# Altium PCB minnnnnnnn.PcbDoc (continued)
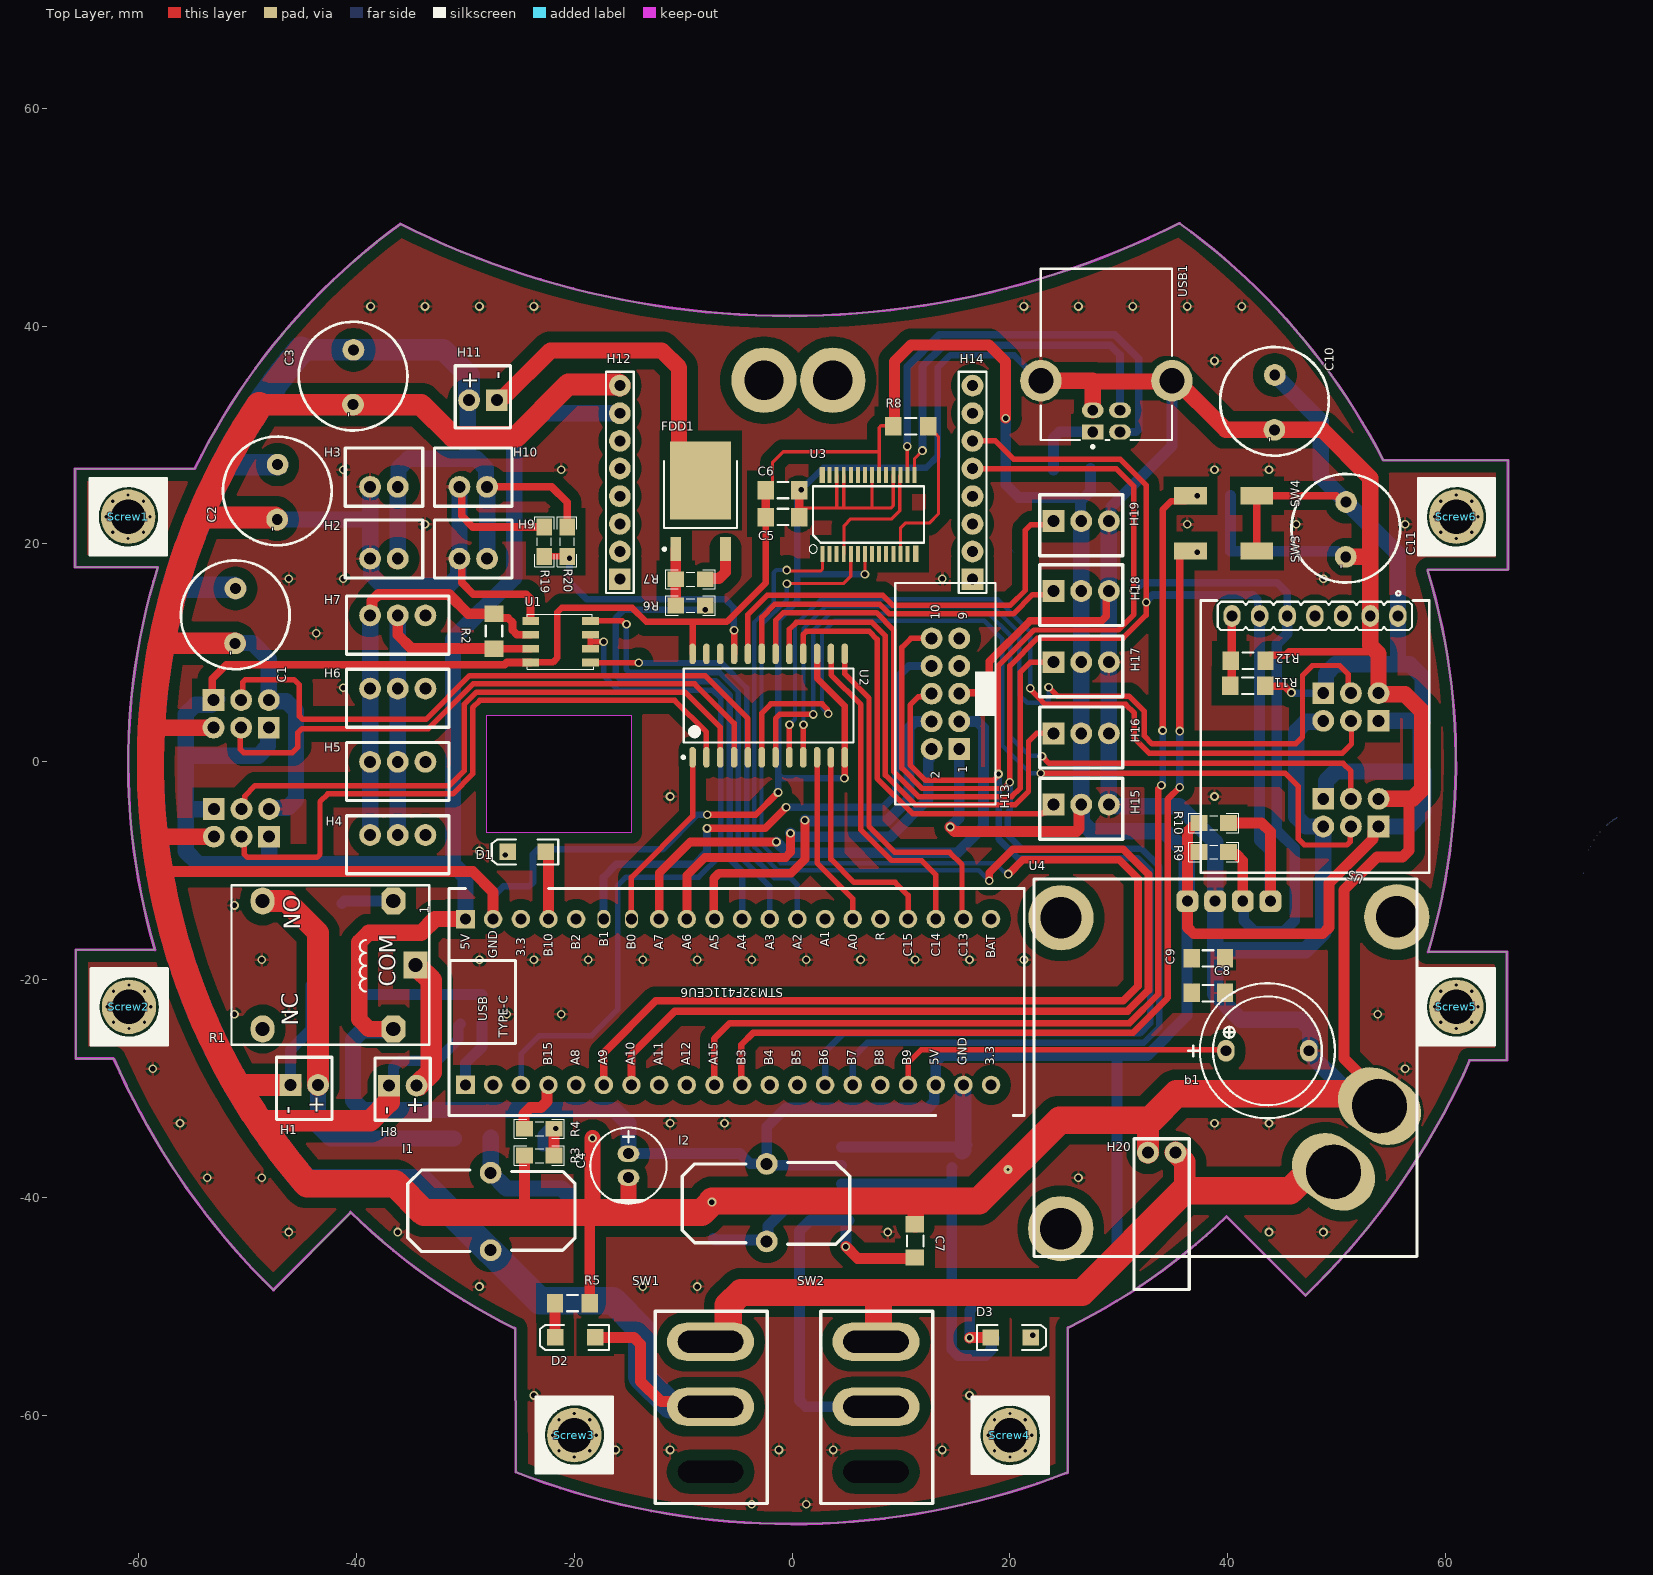
[diagram p0: Top Layer view]
## Footprints (in the part's own frame and the unit in brackets; to place one, negate y for a bottom-side part, rotate by r counter-clockwise, add the part's x,y. Pads: shape width x height; smd on the part's side, far side on the other; paste and mask are expansions set on the pad) (continued)
  rect 0.5x1.5 smd: 14(4.331,-3.614) 28(-4.269,3.625)
  silkscreen extent -5.46,-3.56 5.1,2.6, body extent -5.09,-3.93 5.11,3.87, height 2
TDAxis12 [mm] "Connector; Header; 7 Position"
  oval 1.6x2 hole 1 mask+0.1: 1(-7.62,-0.075) 2(-5.08,-0.075) 3(-2.54,-0.075) 4(0,-0.075) 5(2.54,-0.075) 6(5.08,-0.075) 7(7.62,-0.075)
  silkscreen extent -10.5,-2.35 10.5,23.5, body extent -10.5,-1.5 10.5,23.5, height 5.34
TO252-3M [mm] "D-PAK, 3-Pads, Body 6.2x6.7mm (max), IPC Low Density"
  rect 2.2x1 smd: 1(-4.4,2.28) 3(-4.4,-2.28)
  rect 7.2x5.6 smd: 4(1.9,0)
  silkscreen extent -4.52,-3.35 3.7,3.45, body extent -5.06,-3.27 4.88,3.27, height 2.39
USB_B.1 [mm]
  rect 1.4x2 hole 1: 1(-2.355,1.25)
  oval 1.4x2 hole 1: 2(-2.355,-1.25) 3(-0.355,-1.25) 4(-0.355,1.25)
  round 3.8 hole 2.3: 5(2.355,6.02) 6(2.355,-6.02)
  silkscreen extent -3.83,-6.02 12.64,6.02, body extent -3.86,-7.45 12.64,7.45, height 10.95
"XH 2pin" [mm]
  round 2 hole 1.1: 1(-1.27,-0.889) 2(1.27,-0.889)
  silkscreen extent -3.56,-2.67 3.56,2.67, body extent -3.7,-2.88 3.7,2.88, height 7
"XH 3PIN" [mm]
  round 2 hole 1.1: 1(-2.54,-0.889) 2(0,-0.889) 3(2.54,-0.889)
  silkscreen extent -4.7,-2.67 4.7,2.67, body extent -4.95,-2.88 4.95,2.88, height 7
XT60 [mm]
  oval 8x6 hole 5: 1(0,2.159) 2(0,-5.207)
  silkscreen extent -4.32,-9.14 4.32,6.35, body extent -3.75,-9.72 3.75,6.83, height 16

## Part data
C4: library part "Cap 100uF"
C5 C6 C7 C8 C9: library part "Cap SMD"
D1: library part "LED SMD 1206"
D2 D3: library part "LED SMD"
D4 D5 D6: library part "1n4007 SMD M7", "Standard Rectifiers", Manufacturer="DC COMPONENTS", Data=16-12-2016, Designer="Abbas Basereh", Link=http://www.tme.eu/en/details/m7/smd-universal-diodes/dc-components/, Part. No=M7
H13: library part "IDC 2x5"
R2 R5 R8 R11 R12 R15: library part "Res SMD"
R9 R10 R16: library part "RES 0805 0.125W", "RES 0805", Data=16-12-2016, Desc.="RES SMD 0805", Designer="Abbas Basereh"
U3: "USB Bridge, USB to UART USB 2.0 UART Interface 28-SSOP", Package="SSOP-28 FTDI", Check_prices=https://www.snapeda.com/parts/FT232RL/FTDI%252C+Future+Technology+Devices+International+Ltd/view-part/?ref=eda, MF="FTDI, Future", MP=FT232RL, SnapEDA_Link=https://www.snapeda.com/parts/FT232RL/FTDI%252C+Future+Technology+Devices+International+Ltd/view-part/?ref=snap
U5: "Module, 12 Axis IMU, I2C UART Output"
USB1: "USB B", LatestRevisionDate=17-Jul-2002, LatestRevisionNote="Re-released for DXP Platform.", Publisher="Altium Limited"
Screw1 Screw2 Screw3 Screw4 Screw5 Screw6: LatestRevisionDate=17-Jul-2002, LatestRevisionNote="Re-released for DXP Platform.", Publisher="Altium Limited"

## Free pads (board coordinates)
  round 6 hole 3.6 mask+0.1: 2(-2.591,35.027) 2(3.734,35.027)

## Via types
v1: diameter 0.8, hole 0.5, Top Layer to Bottom Layer, tented both sides, 122 vias
v2: diameter 0.8, hole 0.3, Top Layer to Bottom Layer, tented both sides, 1 vias

## Nets (pads, with @x,y where several pads share a name; then routed paths per layer and width w, separated by ;. In a path a pad name is that pad's centre, name@x,y a point inside that pad or via, vN(x,y) a via of type N, cw(c..) or ccw(c..) an arc to the next point about the centre after c; other vN are vias at no path point)
"2 USB 16 FT": U3.16 USB1.2 | length 41.1
  Top Layer w0.3: v1(10.566,28.956) 10.576,28.947 U3.16@10.576,26.883
  Bottom Layer w0.7: v1(10.566,28.956) 10.566,36.249 13.514,39.196 29.616,39.196 31.826,36.985 31.826,30.511 31.592,30.277 USB1.2
5V: 
+5: 1.18 1.40 C4.1 C5.1 C6.1 C8.2 C9.2 C10.+ C11.+ D3.1 D4.2 H12.7 H13.1 H15.2 H16.2 H17.2 H18.2 H19.2 I2.1 R1.4 R8.2 R9.2 R10.2 R11.2 S1.1 S1.6 S2.1 S2.6 S3.1 S3.6 S4.1 S4.6 SW3.2 SW4.2 U1.8 U2.24 U3.20 U4.2 U5.1 U6.4 | length 617.3
  Top Layer w0.3: C6.1@-2.822,25.016 C6.1@-2.692,25.146 ; C6.1 -1.814,25.517 -1.814,27.472 -0.813,28.473 7.985,28.473 ; U3.20 7.985,28.473 ; R8.2@9.285,30.861 8.153,30.861 7.985,30.693 7.985,28.473
  Top Layer w0.6: U1.8 -21.975,9.119 -21.565,9.529 -21.565,13.738 -21.155,14.148 -14.707,14.148 -13.411,12.852 -9.144,12.852 ; U2.24 -9.144,12.852 ; C5.1 -2.414,16.433 -5.994,12.852 -9.144,12.852
  Top Layer w0.7: S4.6@-53.264,5.588 -53.264,7.62 -51.968,8.915 -26.4,8.915 -26.197,9.119 U1.8 ; SW3.2 42.672,24.359 SW4.2@42.748,24.435 ; SW4.2 SW4.2@42.748,24.435 ; R11.2@43.383,7.163 43.61,6.936 45.234,6.936 45.82,6.35 v1(45.847,6.35) ; C11.+@50.927,23.876 50.497,23.876 49.938,24.435 SW4.2@42.748,24.435
  Top Layer w0.8: C5.1@-2.414,22.757 C6.1@-2.414,24.614
  Top Layer w1: R8.2@9.398,30.759 9.398,36.754 10.922,38.278 18.059,38.278 19.583,36.754 19.583,31.572 v1(19.609,31.547) ; v1(14.503,-5.994) 14.91,-6.401 26.135,-6.401 26.353,-6.183 26.353,-4 H15.2@26.619,-3.734 ; v1(16.281,-52.908) 16.319,-52.871 D3.1 ; R9.2@37.363,-8.23 37.262,-8.331 36.297,-8.331 ; R10.2 37.138,-5.837 36.882,-5.837 36.297,-6.423 36.297,-8.331 ; S2.1 53.348,-6.444 53.348,-7.104 49.301,-11.151 49.301,-15.213 48.716,-15.799 36.882,-15.799 36.297,-15.213 U4.2 36.297,-8.331
  Top Layer w1.5: R1.4 -38.872,-24.536 -39.751,-23.658 -39.751,-16.576 -38.872,-15.697 -34.061,-15.697 -32.806,-14.441 1.40
  Bottom Layer w0.7: C10.+@44.577,35.204 C10.+@44.625,35.204 ; v1(45.847,6.35) 45.874,6.35 45.925,6.299 S1.1 ; 55.626,8.941 55.626,8.788 55.702,8.712
  Bottom Layer w1: C4.1 -4.775,-35.992 -3.854,-36.913 -2.355,-36.913 I2.1 ; I2.1@-2.311,-37.008 -2.337,-36.982 I2.1 ; I2.1@-2.285,-37.057 4.522,-37.057 U6.4 ; v1(14.503,-5.994) 15.342,-5.156 H13.1 ; v1@16.307,-52.908 16.307,-50.394 17.78,-48.92 27.33,-48.92 29.82,-46.431 29.82,-26.975 ; v1(19.609,31.547) 19.609,25.451 20.803,24.257 26.162,24.257 26.492,23.927 ; H19.2 26.492,22.15 26.492,23.927 ; D4.2@27.407,26.924 27.407,24.841 26.492,23.927 ; U4.2@36.271,-12.827 36.271,-23.317 32.614,-26.975 29.82,-26.975 ; I2.1 -2.337,-33.553 -0.584,-31.801 12.462,-31.801 13.048,-31.215 13.048,-29.815 1.18 13.182,-27.561 13.767,-26.975 29.82,-26.975
  Bottom Layer w1.5: -55.423,-4.369 -53.137,-4.369 S3.1 ; S4.6@-52.807,5.766 -53.34,5.232 -54.824,5.232 -55.702,4.354 -55.702,0.559 ; S4.1 -48.133,3.048 -48.133,1.437 -49.012,0.559 -55.702,0.559 ; S3.6 -48.031,-9.423 ; R1.4@-36.601,-24.663 -39.457,-24.663 -40.335,-25.542 -40.335,-31.1 -39.457,-31.979 -16.281,-31.979 -15.037,-33.223 C4.1 ; 1.40 -29.998,-10.565 -31.14,-9.423 ; H12.7@-15.926,32.029 -15.951,32.004 -23.378,32.004 -25.527,29.855 -25.527,16.891 -31.14,11.278 -31.14,-9.423 ; H15.2@26.545,-3.986 26.576,-4.017 26.576,-5.497 27.455,-6.375 34.188,-6.375 36.22,-8.407 U4.2@36.22,-12.725 ; H15.2 H16.2 H17.2 26.545,15.546 H18.2@26.619,15.621 ; H18.2 H19.2 ; C10.+@44.625,35.204 48.539,31.29 48.539,26.185 C11.+ 55.626,19.098 U5.1 55.626,8.941 ; S2.6 49.018,-3.154 49.018,-1.768 49.897,-0.889 57.582,-0.889 57.734,-1.041 57.734,3.759 ; S1.1 49.018,6.549 49.018,8.062 49.897,8.941 55.626,8.941 ; S2.1@53.823,-5.944 S2.1 56.591,-5.944 57.937,-4.597 57.937,-0.889 ; S1.6 57.734,3.759 ; -55.702,0.559 -55.702,-8.204 -54.483,-9.423 -48.031,-9.423 ; -48.031,-9.423 -31.14,-9.423 ; 55.626,8.941 56.718,8.941 57.912,7.747 57.912,3.759 57.734,3.759
+12: C1.+ C2.+ C3.+ D2.1 H2.2 H3.2 H9.2 H10.2 H11.1 I1.1 R20.2 SW1.2 | length 217.2
  Top Layer w0.7: H10.2@-28.194,25.324 -28.118,25.248 H10.2 -22.1,25.248 -20.664,23.812 R20.2
  Top Layer w1: D2.1@-18.186,-52.883 -14.529,-52.883 -13.919,-53.492 -13.919,-56.896 -12.061,-58.754 -7.971,-58.754 SW1.2
  Top Layer w1.5: H2.2@-36.398,18.44 -36.22,18.618 H2.2 ; H9.2@-28.016,18.796 H9.2@-27.788,18.567
  Bottom Layer w1.5: H2.2 H3.2 ; H3.2@-36.144,25.197 -36.144,26.934 -35.266,27.813 -29.794,27.813 ; H11.1@-29.667,32.995 -29.735,32.995 -29.763,32.967 -29.763,32.899 -29.794,32.868 -29.794,27.813 ; H9.2@-28.016,18.796 H10.2 -28.112,25.343 -28.112,26.934 -28.991,27.813 -29.794,27.813
  Bottom Layer w2: -56.947,16.027 -51.237,16.027 C1.+ ; -52.197,27.254 -52.169,27.282 C2.+ ; -44.983,37.795 -44.955,37.823 C3.+ -32.032,37.823 -29.667,35.458 H11.1@-29.667,33.274
  Bottom Layer w2.5: -45.094,37.806 ccw(c0.066,-0.162) -44.745,-38.541 ; -44.627,-38.659 -34.061,-38.659 I1.1@-27.864,-44.856 ; I1.1@-27.686,-44.983 -23.177,-49.492 -16.446,-49.492 -13.843,-52.095 -13.843,-56.422 -11.224,-59.041 -7.684,-59.041 SW1.2
A: H4.3 H5.3 H6.3 H7.3 R2.2 U1.6 | length 38.4
  Top Layer w0.7: R2.2@-27.432,13.589 -27.039,13.196 -26.089,13.196 -25.679,12.786 -25.679,12.069 -25.269,11.659 U1.6
  Top Layer w1: H7.3 -38.569,13.628 -38.569,14.781 -37.983,15.367 -31.521,15.367 -29.743,13.589 R2.2@-27.432,13.589
  Bottom Layer w1.5: H4.3 H5.3 H6.3 -38.76,13.206 -38.606,13.36 H7.3@-38.583,13.36
A12S2: 1.23 U2.14 | length 30
  Top Layer w0.5: U2.14 3.575,9.887 3.575,7.982 6.299,5.258 6.299,-6.248 9.119,-9.068 11.887,-9.068 13.182,-10.362 1.23
B: H4.2 H5.2 H6.2 H7.2 R2.1 U1.7 | length 34.7
  Top Layer w0.7: R2.1 U1.7
  Top Layer w1: H7.2 -36.22,11.659 -34.951,10.389 R2.1
  Bottom Layer w1.5: H7.2 H6.2 H5.2 -36.22,-6.5 -36.04,-6.68 H4.2@-36.017,-6.68
B2S1: 1.24 U2.11 | length 20
  Top Layer w0.5: U2.11 3.556,-8.941 5.69,-11.074 9.449,-11.074 10.642,-12.267 1.24
B12S0: 1.26 U2.10 | length 16.2
  Top Layer w0.5: U2.10 2.286,-9.296 5.562,-12.572 1.26
"Back 1": S4.3 U2.4 | length 55.6
  Top Layer w0.5: S4.3@-50.673,3.302 -50.673,1.131 -50.38,0.838 -45.898,0.838 -45.39,1.346 -45.39,2.667 -45.009,3.048 -33.4,3.048 -29.301,7.147 -8.95,7.147 -5.334,3.531 U2.4
"Back 2": S4.4 U2.5 | length 58.2
  Top Layer w0.5: S4.4@-50.47,5.69 -50.47,7.29 -50.216,7.544 -45.745,7.544 -45.263,7.061 -45.263,4.191 -44.958,3.886 -33.628,3.886 -29.614,7.901 -8.002,7.901 -4.064,3.962 U2.5
BOOST_CTRL: 1.4 R4.1 | length 5.6
  Top Layer w1: R4.1 -24.638,-33.633 -24.638,-32.336 -24.052,-31.75 -23.065,-31.75 -22.512,-31.198 -22.512,-29.675 1.4@-22.479,-29.642
buzzer: 1.17 b1.1 | length 31.8
  Top Layer w0.508: 1.17 10.642,-27.662 11.862,-26.441 39.726,-26.441 b1.1
C13S3: 1.22 U2.13 | length 32.1
  Top Layer w0.5: U2.13 4.845,9.887 4.845,8.058 7.053,5.85 7.053,-5.936 9.431,-8.314 14.461,-8.314 15.596,-9.449 1.22@15.596,-14.783
"Front 1": S2.3 U2.6 | length 86.4
  Top Layer w0.5: U2.6 -2.794,4.47 -1.956,5.309 2.743,5.309 3.245,4.807 3.245,4.452 v1(3.302,4.394) ; v1(22.835,-1.067) 45.288,-1.067 46.482,-2.261 46.482,-7.087 47.041,-7.645 50.949,-7.645 51.242,-7.353 51.242,-6.01 S2.3
  Bottom Layer w0.4: v1(3.302,4.394) 2.743,4.953 2.743,11.811 3.886,12.954 17.628,12.954 19.279,11.303 19.279,1.524 21.844,-1.041 22.809,-1.041 v1(22.835,-1.067)
"Front 2": S2.4 U2.7 | length 78.9
  Top Layer w0.5: U2.7 -1.524,3.966 -1.146,4.343 v1(1.945,4.343) ; v1(22.936,0.508) 23.597,-0.152 50.597,-0.152 51.308,-0.864 S2.4@51.308,-3.353
  Bottom Layer w0.4: v1(1.945,4.343) 1.945,12.08 3.474,13.608 18.04,13.608 20.033,11.615 20.033,2.294 21.786,0.54 22.904,0.54 v1(22.936,0.508)
GATE: FDD1.1 R6.1 R7.1 | length 5.4
  Top Layer w1: R6.1@-10.693,14.148 -10.687,14.154 FDD1.1
GATE_BOOST: FDD2.1 R3.2 R4.2 | length 5
  Top Layer w1: R3.2 R4.2 -21.866,-33.677 R4.2@-21.793,-33.604
  Bottom Layer w1: FDD2.1 -22.885,-34.266 -22.3,-33.68 v1(-21.717,-33.68)
GATE_RELAY: FDD3.1 R17.2 R18.2 | length 11.9
  Bottom Layer w1: FDD3.1 -39.63,-21.129 -39.376,-21.383 R17.2
GND: 1.19 1.39 b1.2 B2.2 C1.- C2.- C3.- C4.2 C5.2 C6.2 C7.1 C8.1 C9.1 C10.- C11.- D5.1 FDD1.3 FDD2.3 FDD3.3 H1.2 H2.1 H3.1 H8.2 H9.1 H10.1 H12.8 H13.5 H15.3 H16.3 H17.3 H18.3 H19.3 H20.1 R3.1 R5.2 R7.2 R12.1 R13.2 R14.2 R15.2 R16.1 R18.1 R19.2 S1.2 S1.5 S2.2 S2.5 S3.2 S3.5 S4.2 S4.5 U1.5 U2.12 U2.15 U3.7 U3.18 U3.21 U3.25 U3.26 U4.1 U5.2 U6.3 U6.5 U6.6 USB1.4 USB1.5 USB1.6 | length 897.3
  Top Layer w0.3: C5.2@0.636,23.292 4.085,23.292 ; U3.26 4.085,23.292 ; U3.25 4.735,23.292 ; v1(6.68,17.221) U3.7@6.68,18.533 ; U3.21 7.335,23.292 ; U3.18 9.285,23.526 9.051,23.292 7.335,23.292 ; 4.085,23.292 4.735,23.292 ; 4.735,23.292 7.335,23.292
  Top Layer w0.6: v1(-7.798,-4.877) -3.353,-4.877 v1(-1.295,-2.819) ; U2.15@2.286,9.306 2.286,7.671 4.826,5.131 U2.12 4.826,-1.499 v1(4.801,-1.524)
  Top Layer w0.7: H9.1@-30.353,18.72 -30.353,16.459 -29.286,15.392 -24.438,15.392 -24.028,14.982 -24.028,12.929 U1.5 ; H10.1@-30.302,25.375 -30.353,25.324 -30.353,22.581 -29.323,21.551 R19.2 ; H13.5 15.418,6.325 17.043,6.325 18.094,7.376 18.094,9.204 21.844,12.954 28.426,12.954 28.836,13.364 28.836,15.221 H18.3@29.21,15.596 ; R12.1 43.459,9.371 43.859,9.771 45.306,9.771 45.644,10.109 53.162,10.109 53.569,9.703 ; C10.-@44.425,30.531 C10.-@44.478,30.477 ; 52.962,18.819 53.01,18.771
  Top Layer w0.8: C5.2 0.636,23.292 C6.2
  Top Layer w1: -58.217,-10.084 -29.337,-10.084 -27.458,-11.962 1.39 ; -24.638,-41.554 -24.566,-41.482 -24.566,-41.402 R3.1 ; R5.2 -18.586,-41.547 -18.491,-41.453 ; R7.2 -7.933,16.818 -6.713,16.818 -6.127,17.404 FDD1.3 ; B2.2 53.939,-30.517 50.673,-27.251 50.673,-11.76 53.696,-8.738 56.056,-8.738 56.642,-8.152 56.642,-3.708
  Top Layer w1.5: -58.776,-6.96 -58.699,-6.883 S3.2 ; -58.699,3.251 -58.572,3.124 S4.5 ; -18.364,-41.402 -18.339,-41.377 v1(-18.339,-34.569) ; -15.037,-41.402 C4.2 ; C7.1 11.354,-42.468 11.354,-40.335 11.354,-40.132 ; USB1.5 27.599,34.987 ; USB1.4 27.599,34.914 USB1.6@34.796,34.914 ; USB1.6@34.315,35.509 34.773,35.509 39.805,30.477 C10.- ; C10.-@44.478,30.477 48.669,30.477 53.086,26.06 U5.2 53.086,10.668 53.848,9.906 ; C11.- 52.962,18.819 ; S2.2 56.957,-3.404 57.836,-2.525 57.836,4.648 56.28,6.204 53.969,6.204 S1.5@53.873,6.299 ; S1.5 53.848,9.703
  Top Layer w2: -57.607,10.668 -57.404,10.871 C1.- ; -54.229,22.428 -47.47,22.428 C2.- ; -51.257,-29.769 -51.17,-29.681 H1.2 ; -49.225,-32.893 -49.149,-32.969 -38.76,-32.969 -37.033,-31.242 H8.2 ; -48.768,32.791 -48.765,32.789 C3.- -34.084,32.789 -31.14,29.845 -25.349,29.845 -20.549,34.646 -15.926,34.646 H12.8 ; H20.1 32.664,-33.147 32.741,-33.071
  Top Layer w2.5: -48.934,32.7 ccw(c0.066,-0.162) -44.689,-38.607 ; -44.535,-38.76 -36.463,-38.76 -33.821,-41.402 -24.566,-41.402 -18.364,-41.402 -15.037,-41.402 -8.331,-41.402 v1(-7.366,-40.437) ; v1@-7.341,-40.335 11.354,-40.335 17.145,-40.335 24.562,-32.918 32.664,-32.918 ; 32.868,-32.918 35.292,-30.494 52.809,-30.494 B2.2
  Bottom Layer w0.6: 1.39@-27.381,-15.062 -27.381,-12.294 -26.518,-11.43 -24.151,-11.43 -23.8,-11.079 -23.8,-8.487 R16.1 -23.364,-8.052 -11.913,-8.052 -8.738,-4.877 v1(-7.798,-4.877) ; v1(-1.295,-2.819) -1.295,-1.173 ; v1@0.737,24.841 0.483,24.587 0.483,17.221 ; v1(0.813,24.968) 2.845,27 12.319,27 13.386,28.067 13.386,36.22 14.503,37.338 20.371,37.338 USB1.5@23.063,34.646 ; v1(4.801,-1.524) -0.944,-1.524 -1.295,-1.173 ; v1(6.68,17.221) 0.483,17.221 ; -1.295,-1.173 -1.295,13.005 0.483,14.783 0.483,17.221
  Bottom Layer w1: H1.2@-46.203,-29.616 -46.076,-29.489 -46.076,-26.467 -44.19,-24.581 FDD3.3 ; H8.2@-37.135,-29.653 -37.022,-29.653 -36.612,-29.243 -36.612,-28.043 -36.026,-27.457 -32.614,-27.457 -30.662,-25.505 -30.662,-24.282 R18.1 ; U6.3 U6.6@14.656,-38.782 ; U6.5 U6.6@15.367,-35.382 ; U6.6@14.681,-37.262 14.656,-37.287 U6.6@14.656,-38.782 ; U6.6@15.926,-35.306 U6.6@16.053,-35.179 ; R15.2 18.318,-53.209 18.318,-53.973 17.777,-54.514 15.242,-54.514 14.656,-53.928 U6.6@14.656,-38.782 ; H19.3@29.21,22.073 29.276,22.139 29.276,23.409 34.869,29.002 USB1.6 ; R13.2 50.049,19.329 50.583,18.796 C11.-@50.724,18.796 ; R14.2 40.263,19.427 R13.2@40.284,19.406
  Bottom Layer w1.5: C1.- -51.128,10.899 -49.532,10.899 -48.057,9.423 S4.2 -47.961,5.569 -46.446,5.569 -45.568,4.69 -45.568,-3.465 -46.351,-4.248 -47.987,-4.248 S3.5@-48.082,-4.343 ; C2.-@-47.295,22.327 -47.216,22.248 -38.865,22.248 -38.76,22.352 ; H2.1 -38.665,18.548 -38.665,17.176 -37.694,16.205 -31.531,16.205 -30.652,17.084 -30.652,18.548 H9.1 ; H2.1@-38.76,18.694 -38.76,22.352 ; H3.1 -38.76,22.352 ; H9.1@-30.556,18.72 H10.1 ; U6.6@15.596,-35.789 15.722,-35.663 1.19 ; H19.3 H18.3 H17.3 H16.3 29.085,-3.735 H15.3@29.134,-3.785 ; H15.3@29.21,-3.886 29.18,-3.916 29.292,-4.027 29.534,-4.027 29.596,-4.089 35.536,-4.089 38.837,-7.39 U4.1 38.837,-17.297 ; b1.2 47.447,-26.743 50.894,-30.19 52.288,-30.19 B2.2@54.61,-32.512 ; b1.2@47.574,-26.518 47.574,-24.577 46.696,-23.698 41.173,-23.698 38.837,-21.361 38.837,-17.297 ; S1.2 48.672,3.664 47.157,3.664 46.279,2.785 46.279,-5.065 47.157,-5.944 S2.5 48.768,-15.672 47.142,-17.297 38.837,-17.297
  other v1: -3.717,-68.192 1.283,-68.192 -16.217,-63.192 -11.217,-63.192 -1.217,-63.192 3.783,-63.192 13.783,-63.192 -23.717,-58.192 16.283,-58.192 -28.717,-48.192 -13.717,-48.192 -8.717,-48.192 -46.217,-43.192 -36.217,-43.192 8.783,-43.192 43.783,-43.192 48.783,-43.192 -53.717,-38.192 -48.717,-38.192 26.283,-38.192 -56.217,-33.192 -11.217,-33.192 -6.217,-33.192 38.783,-33.192 43.783,-33.192 -58.717,-28.192 56.283,-28.192 -51.217,-23.192 -46.217,-23.192 -26.217,-23.192 -21.217,-23.192 53.783,-23.192 -48.717,-18.192 -28.717,-18.192 -23.717,-18.192 -18.717,-18.192 -13.717,-18.192 -8.717,-18.192 -3.717,-18.192 1.283,-18.192 6.283,-18.192 11.283,-18.192 16.283,-18.192 21.283,-18.192 -51.217,-13.192 -28.717,-8.192 -11.217,-3.192 38.783,-3.192 -41.217,6.808 -43.717,11.808 -46.217,16.808 -41.217,16.808 13.783,16.808 48.783,16.808 -33.717,21.808 36.283,21.808 46.283,21.808 56.283,21.808 -41.217,26.808 -21.217,26.808 38.783,26.808 43.783,26.808 38.783,36.808 -38.717,41.808 -33.717,41.808 -28.717,41.808 -23.717,41.808 21.283,41.808 26.283,41.808 31.283,41.808 36.283,41.808 41.283,41.808
  other v2: 19.812,-37.44
"HEADER 3 A1": 1.27
hello: 
Inductor: D6.1 FDD2.4 I1.2 | length 11.1
  Bottom Layer w1.5: D6.1@-27.661,-34.519 -27.686,-34.544 I1.2 -26.238,-39.192 -21.158,-39.192 FDD2.4@-20.65,-39.7
IO: 1.3 U1.2 U1.3 | length 67.1
  Top Layer w0.508: U1.3 -18.523,11.024 ; U1.2@-18.491,10.389 -18.523,10.42 -18.523,11.024 ; v1(-17.323,11.024) -18.523,11.024
  Bottom Layer w0.508: 1.3@-24.867,-29.743 -24.867,-26.797 -23.216,-25.146 -18.415,-25.146 -16.027,-22.758 -16.027,-11.379 -15.24,-10.592 -8.585,-10.592 -6.553,-8.56 -6.553,5.791 -7.341,6.579 -15.977,6.579 -17.323,7.925 v1(-17.323,11.024)
kicker: 1.9
LED3: 1.37 D1.1 | length 6.7
  Top Layer w1: D1.1@-22.797,-8.498 D1.1@-22.797,-8.285 ; D1.1@-22.657,-8.113 -22.378,-8.391 1.37
LED3_RES: D1.2 R16.2
  other v1: -26.353,-8.564
"Left 1": S1.3 U2.9 | length 82.7
  Top Layer w0.5: U2.9 1.029,0.419 1.029,3.391 v1(1.041,3.404) ; v1(23.546,6.833) 23.566,6.833 24.369,6.029 30.927,6.029 32.334,4.622 32.334,2.362 33.045,1.651 46.228,1.651 46.863,2.286 46.863,7.925 47.777,8.839 50.267,8.839 51.082,8.024 51.082,6.652 S1.3@51.257,6.477
  Bottom Layer w0.4: v1(1.041,3.404) 1.041,12.242 3.062,14.262 18.452,14.262 20.836,11.878 20.836,6.162 21.588,5.41 23.253,5.41 23.546,5.703 v1(23.546,6.833)
"Left 2": S1.4 U2.8 | length 77.2
  Top Layer w0.5: U2.8 -0.249,0.411 -0.249,3.402 v1(-0.244,3.407) ; v1(21.851,6.746) 21.851,6.665 22.616,5.9 22.616,5.898 23.238,5.275 30.615,5.275 31.42,4.47 31.42,2.134 32.791,0.762 50.495,0.762 51.363,1.63 S1.4@51.363,3.755
  Bottom Layer w0.4: v1(-0.244,3.407) 0.254,3.905 0.254,12.521 2.649,14.916 18.865,14.916 21.851,11.93 v1(21.851,6.746)
M1: FDD1.4 H11.2 | length 30.5
  Top Layer w1.5: H11.2 -26.877,33.448 -26.522,33.448 -22.2,37.77 -11.963,37.77 -10.389,36.195 -10.389,27.808 FDD1.4
"MISO A6": 1.32 H13.2 | length 35.4
  Top Layer w0.8: 1.32@-9.652,-14.757 -9.652,-10.414 -8.026,-8.788 -0.621,-8.788 -0.152,-8.32 v1(-0.152,-6.553)
  Bottom Layer w1: v1(-0.152,-6.553) 0.178,-6.883 9.017,-6.883 12.497,-3.404 12.497,0.156 12.61,0.27 12.61,0.977 H13.2
"MOSI PIXY": 1.33 H13.3 | length 48
  Top Layer w0.8: 1.33@-12.218,-14.299 -12.218,-10.212 -9.373,-7.366 v1(-1.448,-7.366)
  Bottom Layer w1: v1(-1.448,-7.366) -0.457,-8.357 15.189,-8.357 17.577,-5.969 17.577,3.123 16.991,3.708 H13.3
"MULTI OUT": 1.34 U2.1 | length 16.8
  Top Layer w0.5: 1.34@-14.656,-13.97 -14.675,-13.97 -14.758,-13.887 -14.758,-10.618 -9.144,-5.004 U2.1
Net1_1: B2.1 H20.2 SW1.1 SW2.1 | length 74.1
  Top Layer w2: H20.2 36.043,-36.728 36.043,-39.395
  Top Layer w2.5: SW1.1@-8.026,-53.289 -6.593,-53.289 -5.875,-52.571 -5.875,-49.914 -4.704,-48.743 26.615,-48.743 35.962,-39.395 36.043,-39.395 ; SW2.1 7.925,-53.035 7.925,-48.971 ; 36.043,-39.522 36.043,-39.395 ; B2.1 47.46,-37.659 45.723,-39.395 36.043,-39.395
Net1_2: 
NetBuzzer1_2: 
Netcap8_1: D5.2 I2.2 U6.2 | length 14.2
  Bottom Layer w1: D5.2 -7.099,-43.904 I2.2@-2.324,-43.904 ; I2.2@-2.032,-43.891 -2.045,-43.904 I2.2@-2.324,-43.904 ; U6.2 -0.071,-40.482 -2.217,-42.628 -2.217,-43.797 I2.2@-2.324,-43.904
Netcap11_2: C7.2 SW2.2 U6.1 | length 36.9
  Top Layer w1: v1(4.928,-44.526) 6.02,-45.618 C7.2@11.256,-45.618
  Bottom Layer w1: v1(4.928,-44.526) U6.1@4.928,-42.189 ; U6.1@5.207,-42.139 1.626,-42.139 0.66,-43.104 0.66,-58.647 1.246,-59.233 SW2.2
NetLED1_2: D3.2 R15.1
  other v1: 22.098,-52.68
NetLED2_2: D2.2 R5.1 | length 3.1
  Top Layer w1: R5.1@-21.793,-49.759 -21.765,-49.787 -21.765,-52.836 D2.2
NetNPN1_2: 
NetRES1_1: R8.1 U3.12 | length 14.3
  Top Layer w0.3: U3.12@9.949,19.712 9.949,21.506 10.363,21.92 12.583,21.92 13.437,22.774 13.437,29.859 13.185,30.11 13.085,30.11 12.485,30.71 R8.1
NetRES2_1: R11.1 R12.2 U5.7 | length 6.6
  Top Layer w0.762: R11.1@40.335,6.883 40.36,6.909 40.36,13.411 U5.7@40.335,13.437
NetU1_4: U3.4 U3.17 | length 11.6
  Top Layer w0.3: U3.4 4.768,19.115 4.768,21.684 5.379,22.295 9.138,22.295 9.881,23.038 U3.17@9.881,26.314
NetU1_15: U3.15 USB1.3 | length 34.1
  Top Layer w0.3: U3.15@11.235,26.883 11.235,27.847 v1(11.963,28.575)
  Bottom Layer w0.7: v1(11.963,28.575) 11.963,36.297 13.909,38.242 29.22,38.242 30.099,37.363 USB1.3
RELAY: FDD3.4 R1.5 | length 4.8
  Bottom Layer w1: FDD3.4@-41.351,-13.005 -41.133,-12.786 R1.5
"Right 1": S3.4 U2.2 | length 60.1
  Top Layer w0.5: S3.4@-50.47,-6.909 -50.308,-7.071 -50.308,-8.496 -50.015,-8.788 -43.651,-8.788 -43.358,-8.496 -43.358,-3.658 -42.647,-2.946 -31.166,-2.946 -29.345,-1.125 -29.345,4.97 -28.677,5.639 -10.794,5.639 -7.874,2.719 U2.2
"Right 2": S3.3 U2.3 | length 56.6
  Top Layer w0.5: S3.3 -50.284,-4.056 -50.284,-3.171 -49.306,-2.192 -31.479,-2.192 -30.099,-0.813 -30.099,5.283 -28.989,6.393 -9.847,6.393 -6.604,3.15 U2.3
"RX A10 FT232": 1.7 U3.1 | length 135.4
  Top Layer w0.3: v1(-0.508,17.602) -0.415,17.51 2.6,17.51 2.782,17.692 U3.1@2.782,19.086
  Top Layer w0.7: 1.7 -14.758,-26.9 -10.77,-22.911 30.788,-22.911 32.715,-20.983 32.715,-10.338 30.415,-8.038 20.258,-8.038 18.085,-10.211 v1(18.085,-10.922)
  Bottom Layer w0.4: v1(-0.508,17.602) -1.467,17.602 -1.702,17.368 -1.702,14.59 -3.467,12.824 -3.467,-7.836 -1.338,-9.965 17.127,-9.965 v1(18.085,-10.922)
RXm: 1.28 U1.1 | length 39.3
  Top Layer w0.508: U1.1 -18.497,9.093 -14.106,9.093 v1(-14.097,9.103)
  Bottom Layer w0.508: v1(-14.097,9.103) -14.062,9.068 -6.467,9.068 -4.175,6.776 -4.175,-8.129 -1.632,-10.673 -0.166,-10.673 0.482,-11.32 1.28
"SCK A5": 1.31 H13.4 | length 36
  Top Layer w0.8: 1.31@-7.214,-14.757 -7.214,-10.705 -6.745,-10.236 -0.102,-10.236 1.168,-8.966 v1(1.168,-5.359)
  Bottom Layer w1: v1(1.168,-5.359) 1.245,-5.436 8.691,-5.436 10.719,-3.408 10.719,3.123 11.305,3.708 H13.4
SCL: 
"SCL HEAD4 A8": 1.5
"SCL TD 12": 1.14 H13.6 H14.5 R9.1 U4.3 U5.5 | length 196.3
  Top Layer w0.5: H13.6 12.534,5.981 11.594,5.981 10.823,5.21 10.823,-0.284 12.241,-1.702 18.491,-1.702 18.798,-1.395 18.798,-1.358 v1@18.948,-1.208 ; H14.5@16.688,26.924 29.743,26.924 31.382,25.286 31.382,13.525 29.956,12.1 22.209,12.1 18.948,8.839 18.948,-1.265 v1@18.867,-1.184
  Top Layer w1: R9.1 40.288,-8.505 40.791,-8.505 41.377,-9.091 U4.3
  Bottom Layer w0.6: 1.14 3.022,-26.62 4.689,-24.952 31.938,-24.952 32.868,-24.022 32.868,-9.982 31.75,-8.865 20.726,-8.865 18.948,-7.087 v1(18.948,-1.127)
  Bottom Layer w0.7: v1(31.394,15.697) 31.421,15.697 32.158,16.434 44.526,16.434 45.466,15.494 U5.5
  Bottom Layer w1: U4.3 41.377,-13.213 41.465,-13.302 41.465,-14.567 42.469,-15.57 45.161,-15.57 46.152,-14.58 46.152,-7.95 44.501,-6.299 44.501,10.795 45.466,11.76 U5.5
SDA: 
"SDA HEAD4 B4": 1.12
"SDA TD 12": 1.15 H13.10 H14.6 R10.1 U4.4 U5.6 | length 195.7
  Top Layer w0.5: H13.10 10.897,11.328 10.069,10.501 10.069,-0.596 11.929,-2.456 19.391,-2.456 19.909,-1.938 19.99,-2.019 v1(19.99,-1.881) 19.99,8.814 22.522,11.346 30.396,11.346 32.512,13.462 v1(32.512,14.656) v1@32.593,14.656 ; H14.6@16.612,29.464 18.669,29.464 20.345,27.788 30.124,27.788 32.512,25.4 v1@32.512,14.732
  Top Layer w1: R10.1@40.259,-5.537 40.334,-5.612 43.101,-5.612 43.917,-6.428 U4.4
  Bottom Layer w0.6: 1.15 5.562,-27.154 6.909,-25.806 32.291,-25.806 33.722,-24.376 33.722,-9.628 32.104,-8.011 21.08,-8.011 19.802,-6.733 19.802,-4.687 19.99,-4.499 v1(19.99,-1.881)
  Bottom Layer w0.7: v1@32.512,14.732 33.096,15.316 42.344,15.316 42.754,14.906 42.754,13.558 U5.6
  Bottom Layer w1: U5.6 42.926,-7.239 43.866,-8.179 U4.4@43.866,-12.751
SENS0: H15.1 U2.16 | length 39.6
  Top Layer w0.5: U2.16 1.016,11.671 1.309,11.963 7.08,11.963 7.807,11.236 7.807,-1.533 11.049,-4.775 22.962,-4.775 23.055,-4.682 23.255,-4.682 H15.1
SENS1: H16.1 U2.17 | length 46.6
  Top Layer w0.5: U2.17 -0.254,12.167 0.381,12.802 7.315,12.802 8.561,11.555 8.561,-1.221 11.304,-3.964 20.471,-3.964 21.701,-2.734 21.701,1.864 22.442,2.604 H16.1
SENS2: H17.1 U2.18 | length 54.8
  Top Layer w0.5: U2.18 -1.524,12.979 -0.813,13.691 7.722,13.691 9.315,12.097 9.315,-0.909 11.616,-3.21 20.159,-3.21 20.947,-2.421 20.947,8.222 21.869,9.144 H17.1@23.952,9.144
SENS3: H18.1 U2.19 | length 31.6
  Top Layer w0.5: U2.19 -2.794,13.259 -1.608,14.445 8.06,14.445 8.915,13.589 20.32,13.589 22.072,15.342 23.444,15.342 H18.1@23.749,15.646
SENS4: H19.1 U2.20 | length 39.4
  Top Layer w0.5: U2.20 -4.064,13.513 -2.286,15.291 8.306,15.291 9.22,14.376 20.041,14.376 21.412,15.748 21.412,21.26 21.92,21.768 23.444,21.768 H19.1@24.054,22.377
SHOOT: 1.1 R17.1 | length 6.3
  Bottom Layer w1: 1.1 -29.998,-27.685 -28.499,-26.185 R17.1@-28.499,-24.003
spin: 1.30 R6.2 | length 46
  Bottom Layer w0.6: v1(-7.99,13.956) -15.432,13.956 -16.194,13.194 -16.194,7.99 -15.591,7.387 -7.87,7.387 -7.006,7.387 -5.745,6.126 -5.745,5.262 -5.745,-8.91 -4.598,-10.057 1.30
"SS 9 A4": 1.35 H13.8 | length 49.9
  Top Layer w0.7: v1(-7.823,-6.121) -2.489,-6.121 v1(-0.559,-4.191)
  Bottom Layer w0.7: 1.35@-17.323,-14.757 -17.323,-10.592 -16.154,-9.423 -8.966,-9.423 -7.823,-8.28 v1(-7.823,-6.121) ; v1@-0.635,-4.191 v1(-0.559,-4.191) 8.375,-4.191 9.525,-3.041 9.525,7.62 10.693,8.788 H13.8
"SS 9 B1": 
SW1: 1.10 R14.1 SW4.1 | length 94.4
  Top Layer w0.6: 1.10@-7.163,-29.642 -7.163,-25.425 -5.74,-24.003 30.974,-24.003 33.619,-21.358 33.619,-2.503 33.909,-2.213 v1(33.909,-2.159) ; v1(34.011,2.87) 34.011,23.139 34.806,23.935 36.076,23.935 SW4.1
  Bottom Layer w0.6: v1(33.909,-2.159) 33.909,-2.105 34.011,-2.003 v1(34.011,2.87)
  other v1: 37.211,24.435
SW2: 1.11 R13.1 SW3.1 | length 87.1
  Top Layer w0.6: 1.11@-4.521,-29.896 -4.679,-29.738 -4.679,-25.99 -3.556,-24.867 31.318,-24.867 34.493,-21.692 34.493,-3.429 v1(35.585,-2.337)
  Top Layer w0.7: v1(35.585,2.819) 35.585,18.905 36.035,19.355 SW3.1
  Bottom Layer w0.7: v1(35.585,-2.337) v1(35.585,2.819)
  other v1: 37.186,19.228
"TX A9 FT232": 1.6 U3.5 | length 134.5
  Top Layer w0.3: v1(-0.483,16.358) 4.699,16.358 5.385,17.044 U3.5
  Top Layer w0.7: 1.6 -17.298,-26.747 -12.508,-21.957 30.393,-21.957 31.761,-20.588 31.761,-10.733 30.02,-8.992 21.185,-8.992 19.864,-10.312 v1(19.837,-10.312)
  Bottom Layer w0.4: v1(-0.483,16.358) -0.483,14.884 -2.813,12.553 -2.813,-7.565 -1.068,-9.311 18.658,-9.311 19.46,-10.112 19.529,-10.112 19.729,-10.312 v1(19.837,-10.312)
TXm: 1.29 U1.4 | length 40.9
  Top Layer w0.508: U1.4@-18.605,12.941 -15.611,12.941 -15.294,12.624 v1(-15.215,12.624)
  Bottom Layer w0.508: v1(-15.215,12.624) -15.24,12.598 -15.24,8.492 -14.942,8.195 -7.535,8.195 -6.671,8.195 -4.937,6.461 -4.937,5.597 -4.937,-8.576 -2.058,-11.454 1.29
VBAT: R19.1 R20.1 U2.21 | length 24.8
  Top Layer w0.6: R19.1 R20.1 -20.494,18.851 R20.1@-20.447,18.898 ; U2.21 v1(-5.334,12.065)
  Bottom Layer w0.6: v1(-20.447,18.669) -20.447,16.51 -18.847,14.91 -6.121,14.91 -5.359,14.148 -5.359,12.09 v1(-5.334,12.065)
VBOOST: D6.2 H1.1 R1.3 | length 37
  Top Layer w2: R1.3 -46.446,-12.786 -43.536,-15.697 H1.1
  Bottom Layer w1.5: H1.1 -43.536,-33.423 -42.364,-34.595 D6.2
VCC: 
VSHOOT: H8.1 R1.1 | length 12.2
  Top Layer w2: R1.1 -34.577,-18.811 -34.477,-18.911 -34.319,-18.911 -33.147,-20.083 -33.147,-28.51 H8.1@-34.319,-29.681
VSS: 
VUSB: D4.1 USB1.1 | length 7.1
  Bottom Layer w1: D4.1 23.979,29.716 24.565,30.302 USB1.1@27.889,30.302
pads on no net: 1.2 1.8 1.13 1.16 1.20 1.21 1.25 1.36 1.38 H4.1 H5.1 H6.1 H7.1 H12.1 H12.2 H12.3 H12.4 H12.5 H12.6 H13.7 H13.9 H14.1 H14.2 H14.3 H14.4 H14.7 H14.8 R1.2 Screw1.S Screw2.S Screw3.S Screw4.S Screw5.S Screw6.S SW1.3 SW2.3 U2.22 U2.23 U3.2 U3.3 U3.6 U3.8 U3.9 U3.10 U3.11 U3.13 U3.14 U3.19 U3.22 U3.23 U3.24 U3.27 U3.28 U4.139 U4.140 U4.141 U5.3 U5.4

## Polygon pours and split planes (outlines as drawn)
GND on Top Layer "GND_L01_P000" (solid, pour order 0): -47.637,-48.526 cw(c0,0) -62.277,-27.306 -62.332,-27.254 -65.761,-27.254 -65.786,-27.263 -65.786,-17.272 -58.522,-17.272 -58.519,-17.287 cw(c0.025,-0.152) -58.264,17.83 -58.293,17.856 -65.862,17.856 -65.862,26.848 -65.888,26.899 -54.966,26.899 -54.843,26.939 cw(c-0.076,0.076) -36.007,49.371 -35.997,49.392 ccw(c-0.272,120.673) 35.533,49.431 35.593,49.419 cw(c-0.025,-0.102) 54.276,27.689 54.331,27.686 65.735,27.686 65.735,17.653 65.684,17.628 58.369,17.628 58.372,17.517 cw(c-0.051,-0.025) 58.409,-17.446 58.394,-17.468 65.658,-17.451 65.634,-17.45 65.634,-27.407 62.205,-27.407 62.23,-27.413 cw(c0,0) 47.216,-48.935 47.142,-49.022 39.891,-41.77 39.892,-41.771 cw(c-0.186,-0.053) 25.347,-51.963 25.298,-51.973 25.298,-65.278 25.203,-65.306 cw(c0,0) -25.37,-65.241 -25.375,-65.227 -25.425,-52.049 -25.519,-52.011 cw(c0.025,0) -40.566,-41.352 -40.589,-41.453
GND on Bottom Layer "GND_L02_P001" (solid, pour order 1): -47.637,-48.526 cw(c0,0) -62.277,-27.306 -62.332,-27.254 -65.761,-27.254 -65.786,-27.263 -65.786,-17.272 -58.522,-17.272 -58.519,-17.287 cw(c0.025,-0.152) -58.264,17.83 -58.293,17.856 -65.862,17.856 -65.862,26.848 -65.888,26.899 -54.966,26.899 -54.843,26.939 cw(c-0.076,0.076) -36.007,49.371 -35.997,49.392 ccw(c-0.272,120.673) 35.533,49.431 35.593,49.419 cw(c-0.025,-0.102) 54.276,27.689 54.331,27.686 65.735,27.686 65.735,17.653 65.684,17.628 58.369,17.628 58.372,17.517 cw(c-0.051,-0.025) 58.409,-17.446 58.394,-17.468 65.658,-17.451 65.634,-17.45 65.634,-27.407 62.205,-27.407 62.23,-27.413 cw(c0,0) 47.216,-48.935 47.142,-49.022 39.891,-41.77 39.892,-41.771 cw(c-0.186,-0.053) 25.347,-51.963 25.298,-51.973 25.298,-65.278 25.203,-65.306 cw(c0,0) -25.37,-65.241 -25.375,-65.227 -25.425,-52.049 -25.519,-52.011 cw(c0.025,0) -40.566,-41.352 -40.589,-41.453

## Keep-outs
Keep-Out Layer:
  lines w0.254: -65.888,26.899 -54.966,26.899 ; -65.862,26.848 -65.862,17.856 -58.293,17.856 ; -65.786,-27.263 -65.786,-17.263 ; -65.786,-17.272 -58.522,-17.272 ; -65.761,-27.254 -62.332,-27.254 ; -62.277,-27.306 ccw(c0,0) -47.637,-48.526 ; -58.519,-17.287 cw(c0.025,-0.152) -58.264,17.83 ; -54.843,26.939 cw(c-0.076,0.076) -36.007,49.371 ; -47.65,-48.514 -40.589,-41.453 ; -40.566,-41.352 ccw(c0.025,0) -25.519,-52.011 ; -35.997,49.392 ccw(c-0.272,120.673) 35.533,49.431 ; -25.425,-52.049 -25.375,-65.227 ; -25.37,-65.241 ccw(c0,0) 25.203,-65.306 ; 25.298,-65.278 25.298,-51.973 ; 25.347,-51.963 ccw(c-0.186,-0.053) 39.892,-41.771 ; 35.593,49.419 cw(c-0.025,-0.102) 54.276,27.689 ; 39.891,-41.77 47.142,-49.022 ; 47.216,-48.935 ccw(c0,0) 62.23,-27.413 ; 54.331,27.686 65.735,27.686 65.735,17.653 ; 58.369,17.628 65.684,17.628 ; 58.372,17.517 cw(c-0.051,-0.025) 58.409,-17.446 ; 58.394,-17.468 65.658,-17.451 ; 62.205,-27.407 65.634,-27.407 65.634,-17.45

## Other copper
Bottom Layer:
  region: 75.662,-5.193 75.662,-5.156 75.699,-5.156 75.699,-5.193
  region: 73.244,-7.868 73.244,-7.831 73.28,-7.831 73.28,-7.868
  region: 73.61,-7.172 73.647,-7.172 73.647,-7.208 73.61,-7.208
  region: 75.332,-5.45 75.296,-5.45 75.296,-5.413 75.332,-5.413 75.332,-5.376 75.369,-5.376 75.369,-5.413 75.332,-5.413
  region: 73.061,-8.381 73.061,-8.418 73.024,-8.418 73.024,-8.381
  region: 74.893,-5.779 74.856,-5.779 74.856,-5.743 74.893,-5.743
  region: 75.406,-5.303 75.479,-5.303 75.479,-5.34 75.406,-5.34 75.406,-5.376 75.369,-5.376 75.369,-5.34 75.406,-5.34
  region: 73.317,-7.758 73.317,-7.795 73.28,-7.795 73.28,-7.758
  region: 75.222,-5.523 75.186,-5.523 75.186,-5.486 75.222,-5.486 75.222,-5.45 75.259,-5.45 75.259,-5.486 75.222,-5.486
  region: 74.929,-5.743 74.893,-5.743 74.893,-5.706 74.929,-5.706
  region: 74.783,-5.853 74.783,-5.889 74.746,-5.889 74.746,-5.853
  region: 75.112,-5.559 75.112,-5.596 75.076,-5.596 75.076,-5.559
  region: 73.17,-8.014 73.207,-8.014 73.207,-8.051 73.17,-8.051
  region: 72.657,-10.286 72.657,-10.213 72.694,-10.213 72.694,-10.286
  region: 74.233,-6.402 74.233,-6.366 74.27,-6.366 74.27,-6.402
  region: 75.662,-5.193 75.662,-5.23 75.589,-5.23 75.589,-5.193 75.625,-5.193
  region: 75.552,-5.23 75.589,-5.23 75.589,-5.266 75.552,-5.266 75.552,-5.303 75.516,-5.303 75.516,-5.266 75.552,-5.266
  region: 73.17,-8.124 73.134,-8.124 73.134,-8.088 73.17,-8.088
  region: 74.819,-5.779 74.856,-5.779 74.856,-5.816 74.819,-5.816 74.819,-5.853 74.783,-5.853 74.783,-5.816 74.819,-5.816
  region: 75.735,-5.156 75.735,-5.12 75.772,-5.12 75.772,-5.156
  region: 74.196,-6.476 74.16,-6.476 74.16,-6.439 74.196,-6.439
  region: 73.903,-6.769 73.94,-6.769 73.94,-6.805 73.903,-6.805
  region: 75.039,-5.669 75.003,-5.669 75.003,-5.633 75.039,-5.633 75.039,-5.596 75.076,-5.596 75.076,-5.633 75.039,-5.633

## Silkscreen, mask and mechanical layers (free items; w line width, h text height)
Mechanical 1:
  lines w0.3: -28.042,-6.528 -28.042,4.267 -14.783,4.267 -14.783,-6.528 -28.042,-6.528

## Text inside footprints (layer, text, board x,y; h text height)
1: Top Overlay "3.3" at 18.553,-27.873 h0.8 r90; Top Overlay "BAT" at 18.655,-18.043 h0.8 r90; Top Overlay "C13" at 16.115,-17.91 h0.8 r90; Top Overlay "C14" at 13.575,-17.91 h0.8 r90; Top Overlay "C15" at 11.035,-17.91 h0.8 r90; Top Overlay "A0" at 5.955,-17.243 h0.8 r90; Top Overlay "A1" at 3.415,-16.976 h0.8 r90; Top Overlay "A2" at 0.875,-17.243 h0.8 r90; Top Overlay "A3" at -1.665,-17.243 h0.8 r90; Top Overlay "A4" at -4.205,-17.243 h0.8 r90; Top Overlay "A5" at -6.745,-17.243 h0.8 r90; Top Overlay "A6" at -9.285,-17.243 h0.8 r90; Top Overlay "A7" at -11.825,-17.243 h0.8 r90; Top Overlay "R" at 8.495,-16.443 h0.8 r90; Top Overlay "B0" at -14.365,-17.243 h0.8 r90; Top Overlay "B1" at -16.905,-16.976 h0.8 r90; Top Overlay "B2" at -19.445,-17.243 h0.8 r90; Top Overlay "B10" at -21.985,-17.91 h0.8 r90; Top Overlay "3.3" at -24.525,-17.91 h0.8 r90; Top Overlay "GND" at -27.065,-18.043 h0.8 r90; Top Overlay "5V" at -29.605,-17.243 h0.8 r90; Top Overlay "GND" at 16.015,-27.873 h0.8 r90; Top Overlay "5V" at 13.478,-27.873 h0.8 r90; Top Overlay "B9" at 10.94,-27.873 h0.8 r90; Top Overlay "B8" at 8.402,-27.873 h0.8 r90; Top Overlay "B7" at 5.865,-27.873 h0.8 r90; Top Overlay "B6" at 3.327,-27.873 h0.8 r90; Top Overlay "B5" at 0.789,-27.873 h0.8 r90; Top Overlay "B4" at -1.748,-27.873 h0.8 r90; Top Overlay "B3" at -4.286,-27.873 h0.8 r90; Top Overlay "A15" at -6.823,-27.873 h0.8 r90; Top Overlay "A12" at -9.361,-27.873 h0.8 r90; Top Overlay "A11" at -11.899,-27.873 h0.8 r90; Top Overlay "A10" at -14.436,-27.873 h0.8 r90; Top Overlay "A9" at -16.974,-27.873 h0.8 r90; Top Overlay "B15" at -22.049,-27.873 h0.8 r90; Top Overlay "STM32F411CEU6" at -0.816,-20.819 h0.8 r180; Top Overlay "USB" at -28.006,-23.812 h0.8 r90; Top Overlay "TYPE-C" at -26.124,-25.336 h0.8 r90; Top Overlay "A8" at -19.512,-27.873 h0.8 r90
B2: Bottom Overlay "-" at 57.383,-27.721 h0.8 r145; Bottom Overlay "+" at 47.687,-41.568 h0.8 r145
C1: Top Overlay "-" at -51.889,10.142 h0.8 r270
C2: Top Overlay "-" at -48.023,21.518 h0.8 r270
C3: Top Overlay "-" at -41.063,32.059 h0.8 r270
C10: Top Overlay "-" at 43.544,29.748 h0.8 r270
C11: Top Overlay "-" at 50.097,18.089 h0.8 r270
H1: Top Overlay "+" at -44.298,-32.348 h1.52 r270; Top Overlay "-" at -46.837,-32.348 h1.52 r270
H8: Top Overlay "-" at -37.795,-32.41 h1.52 r270; Top Overlay "+" at -35.255,-32.41 h1.52 r270
H11: Top Overlay "+" at -28.905,35.865 h1.52 r90; Top Overlay "-" at -26.365,35.865 h1.52 r90
H13: Top Overlay "1" at 16.092,-1.039 h0.8 r90; Top Overlay "10" at 13.552,13.036 h0.8 r90; Top Overlay "9" at 16.092,13.036 h0.8 r90; Top Overlay "2" at 13.552,-1.539 h0.8 r90
R1: Top Overlay "COM" at -36.42,-20.643 h1.5 r90; Top Overlay "NO" at -45.158,-15.41 h1.5 r90; Top Overlay "NC" at -45.336,-24.249 h1.5 r90
S1: Bottom Overlay "1" at 46.736,6.807 h0.8 r180; Bottom Overlay "2" at 46.228,4.267 h0.8 r180; Bottom Overlay "5" at 55.372,6.807 h0.8 r180; Bottom Overlay "6" at 55.372,4.267 h0.8 r180
S2: Bottom Overlay "6" at 47.244,-3.912 h0.8; Bottom Overlay "5" at 47.244,-6.452 h0.8; Bottom Overlay "2" at 56.388,-3.912 h0.8; Bottom Overlay "1" at 55.88,-6.452 h0.8
S3: Bottom Overlay "6" at -46.507,-6.375 h0.8 r180; Bottom Overlay "5" at -46.507,-3.835 h0.8 r180; Bottom Overlay "2" at -55.651,-6.375 h0.8 r180; Bottom Overlay "1" at -55.143,-3.835 h0.8 r180
S4: Bottom Overlay "1" at -46.025,2.616 h0.8; Bottom Overlay "2" at -45.517,5.156 h0.8; Bottom Overlay "5" at -54.661,2.616 h0.8; Bottom Overlay "6" at -54.661,5.156 h0.8